# Altium PCB CL-HC-M-V2.2.PcbDoc (part 2 of 18)
Units mil, origin at the board's own origin, x right, y up, seen from the top; angles counter-clockwise.
Board outline 27559.06 x 27559.06 mil, 2 copper layers (TopLayer, BottomLayer); 684 components, 528 nets, 2380 pads, 1851 vias.
Unrouted connection lines stored in the file: 1268.
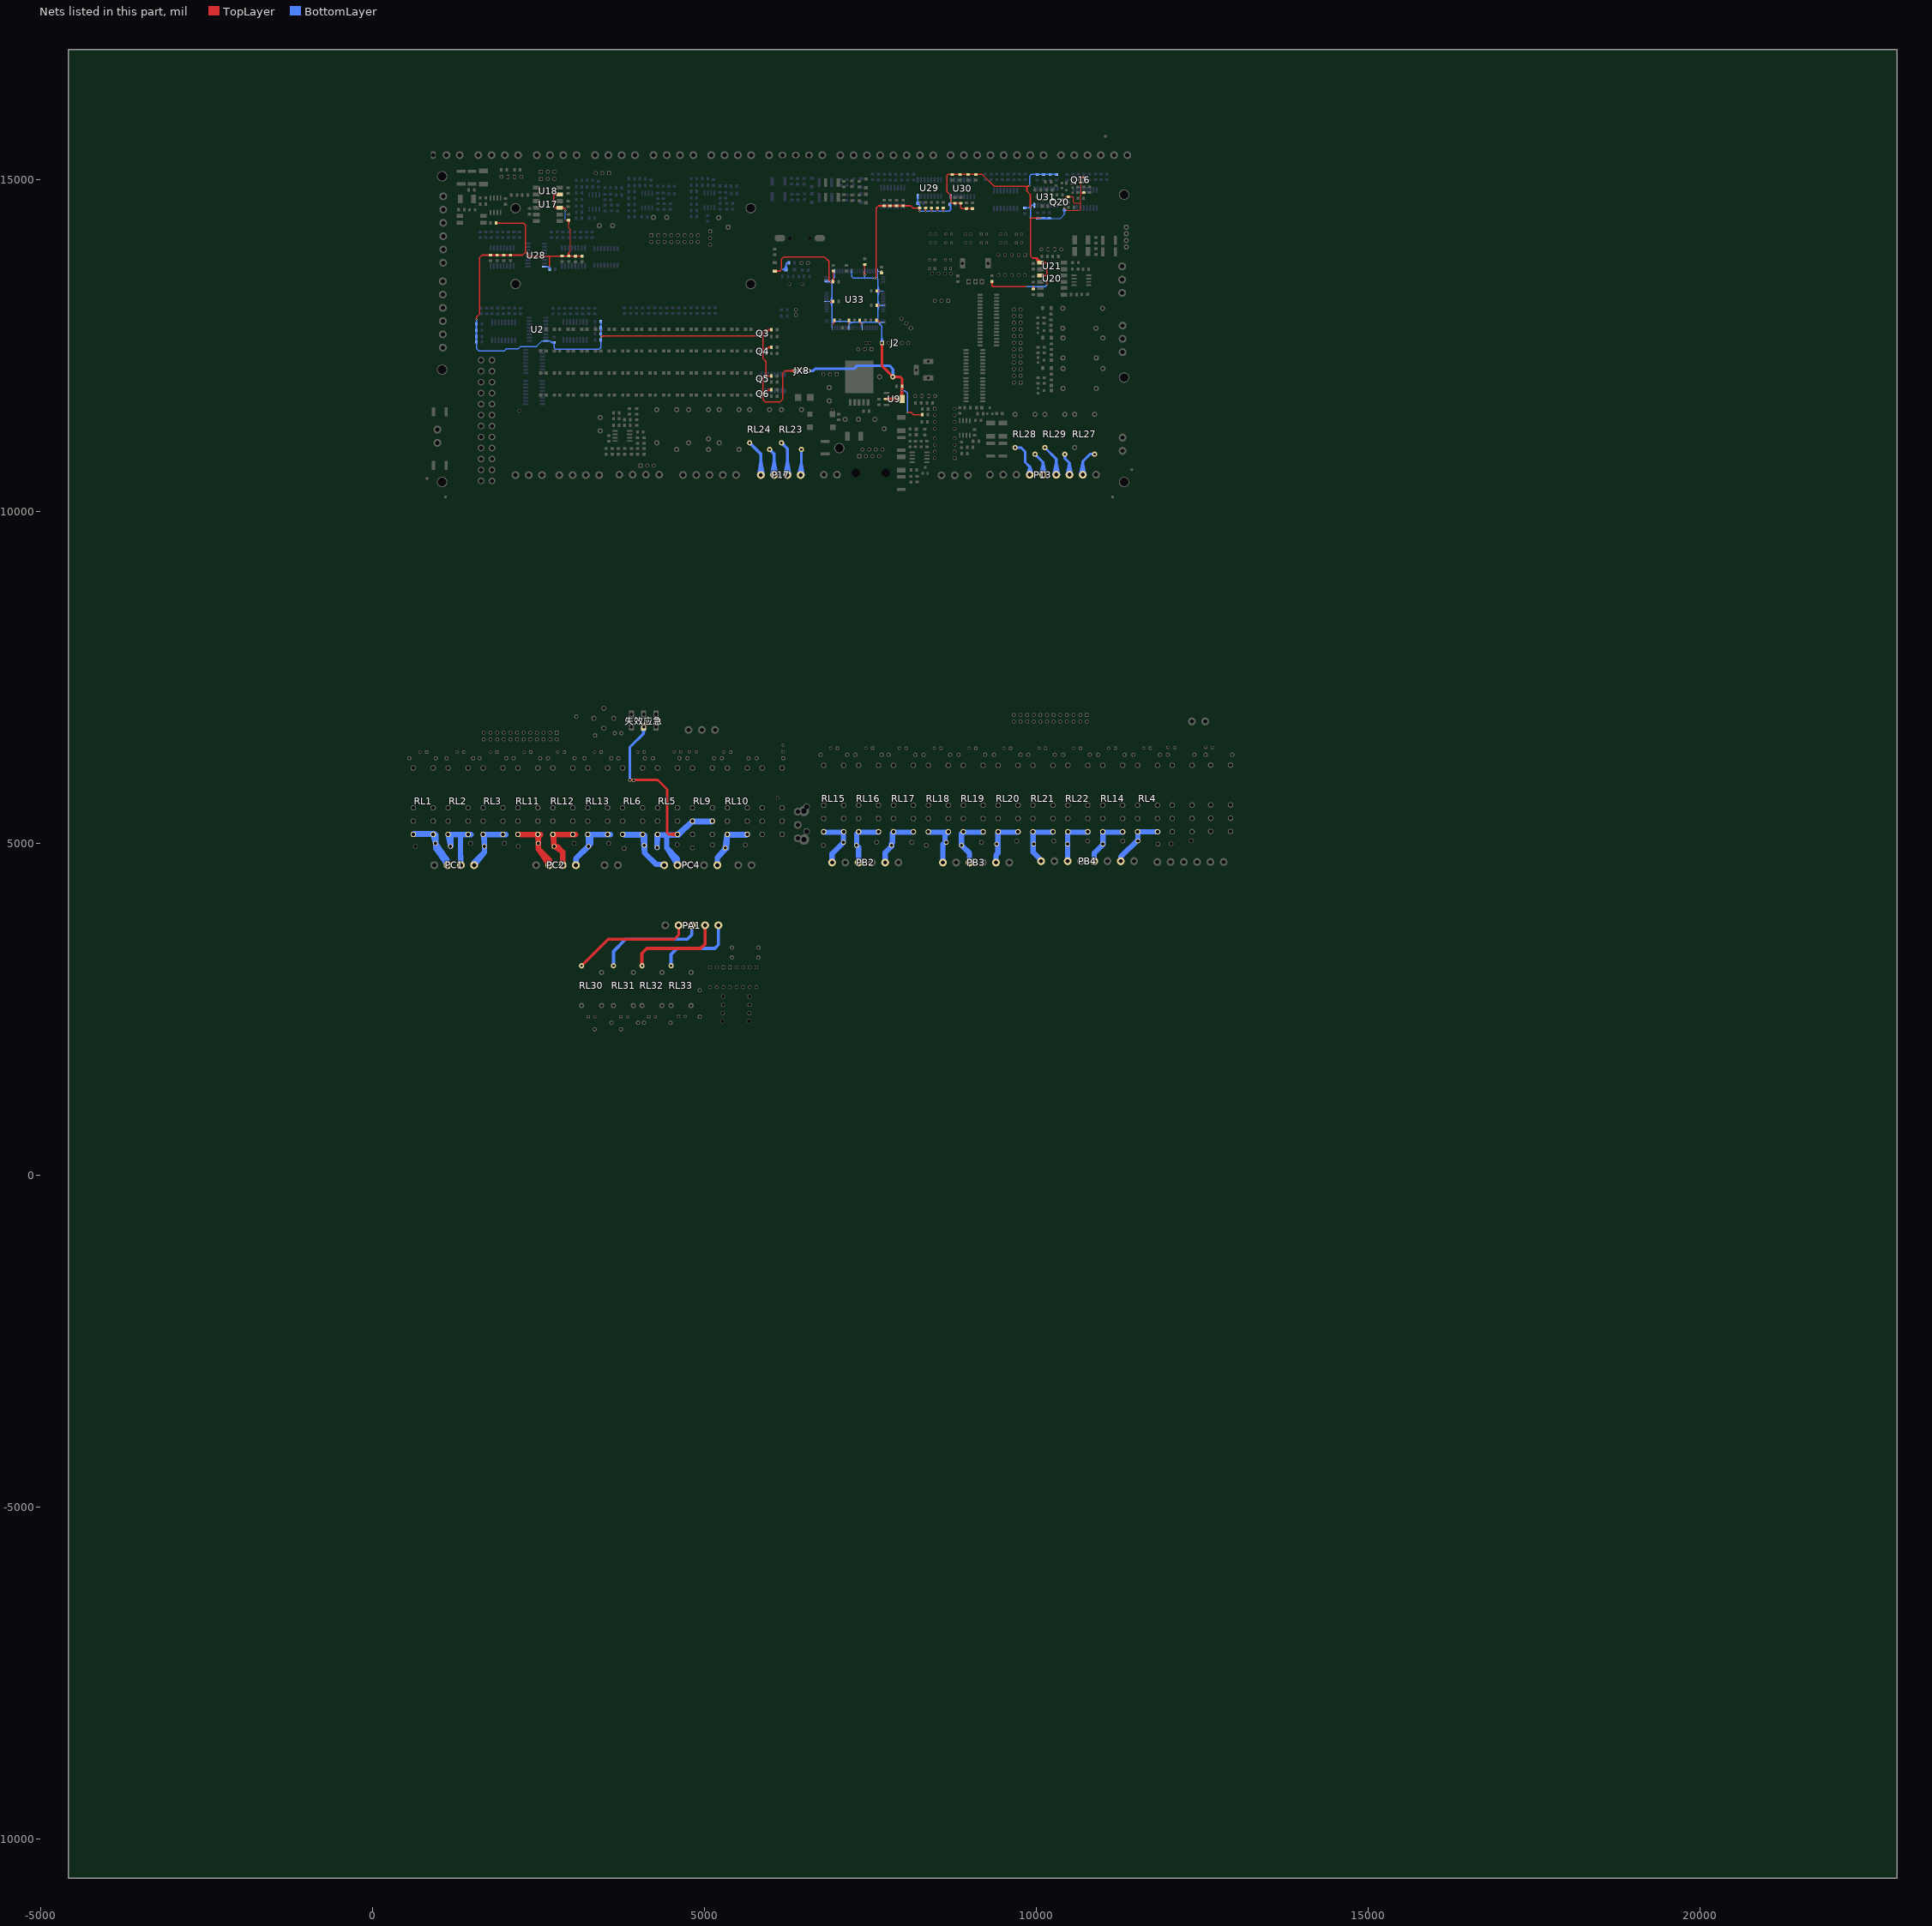
[diagram p2: the nets of this part, all layers, seen from the top]

## Footprints (in the part's own frame and the unit in brackets; to place one, negate y for a bottom-side part, rotate by r counter-clockwise, add the part's x,y. Pads: shape width x height; smd on the part's side, far side on the other; paste and mask are expansions set on the pad) (continued)
SO_16 [mil]
  rect 30x80 smd: 1(-175,-125)
  oval 30x80 smd: 2(-125,-125) 3(-75,-125) 4(-25,-125) 5(25,-125) 6(75,-125) 7(125,-125) 8(175,-125) 9(175,125) 10(125,125) 11(75,125) 12(25,125) 13(-25,125) 14(-75,125) 15(-125,125) 16(-175,125)
  silkscreen extent -195,-70 195,70, body extent -194,-115 192,113, height 69
SO_16L [mil]
  rect 30x90 smd: 1(-175,-135)
  oval 30x90 smd: 2(-125,-135) 3(-75,-135) 4(-25,-135) 5(25,-135) 6(75,-135) 7(125,-135) 8(175,-135) 9(175,135) 10(125,135) 11(75,135) 12(25,135) 13(-25,135) 14(-75,135) 15(-125,135) 16(-175,135)
  silkscreen extent -195,-70 195,70, body extent -194,-115 192,113, height 69
SOP8 [mil]
  oval 24x80 smd: 1(-75,-110) 2(-25,-110) 3(25,-110) 4(75,-110) 5(75,110) 6(25,110) 7(-25,110) 8(-75,110)
  silkscreen extent -95,-75 95,75, body extent -97,-118 96,118, height 61
SOP-08 [mil]
  oval 24x80 smd: 1(-75,-110) 2(-25,-110) 3(25,-110) 4(75,-110) 5(75,110) 6(25,110) 7(-25,110) 8(-75,110)
  silkscreen extent -95,-75 95,75, body extent -97,-118 96,118, height 61
SOT23 [mm]
  rect 0.9x0.95 smd: 1(0,1.175) 2(-0.95,-1.175) 3(0.95,-1.175)
  silkscreen extent -1.3,-0.3 1.3,2.32, body extent -1.45,-1.4 1.45,1.4, height 1.2
VScore [mil] "VScore"
  round 60 hole 30: 1(0,0) 4(300,0)
  oval 40x70 hole 30: 2(100,0) 3(200,0)
  silkscreen extent -125,-50 425,225
XAL2 [mil]
  round 50 / inner round 50 / far side round 78.74 hole 32: 1(0,0) 2(200,0)
  silkscreen extent -116,-89 316,89, body extent -123,-94 323,89, height 138
XTAL4 [mm]
  round 1.5 hole 0.8: 1(0,0) 2(2.007,0)
  silkscreen extent -1.02,-9.02 3.05,1.02

## Part data
BT1: "Battery"
C1 C2 C3 C13 C14 C15 C38: library part CAP, "Capac"
C4 C5 C6 C7 C8 C9 C10 C11 C12 C16 C17 C18 C19 C20 C21 C22 C23 C24 C25 C26 C27 C28 C29 C30 C31 C32 C33 C34 C35 C36 C37 C39 C40 C41 C42 C43 C44 C47 C48 C50 C51 C52 C53 C60 C61 C64 C65 C66 C67 C69 C70 C71 C72 C73 C74 C75 C76 C77 C78 C79 C80 C81 C82 C83 C84: library part CAP, "Capacitor"
C45 C49 C85 C86 C87 C88: library part ELECTRO1, "Electrolytic Capacitor"
C46: library part "Cap Pol1", "Polarized Capacitor (Radial)"
C54 C55 C56 C57 C58 C59: library part Cap, "Capacitor"
D1: library part Br
D2 D3 D6 D7 D8 D9 D10 D11 D12 D13 D14 D19 D20 D21 D22 D95 D97 D109 DW1 DW2 DW3 DW4 DW5 DW6: library part DIODE, "Diode"
D4 D5 D15 D16 D17 D18 D37 D38 D39 D40 D41 D42 D43 D44 D45 D46 D47 D48 D49 D50 D51 D52 D53 D54 D55 D61 D65 D67 D96 D98 D110 D199 LD1 LD2 LD3 LD4 LD5 LD6 LD7 LD8 LD9 LD10 LD11 LD12 LD13 LD14 LD15 LD16 LD17 LD18 LD19 LD20 LD21 LD22 LD23 LD24 LD25 LD26 LD27 LD28 LD29 LD30 LD31 LD32 LD33 LD34 LD35 LD36 LD37 LD38 LD39 LD40 LD41 LD42 LD43 LD44 LD45 LD46 LD47 LD48 LD49 LD50 LD51 LD52 LD53 LD54 LD55 LD56 LD57 LD58 LD59 LD60 LD61 LD62 LD63 LD64: library part LED, "Zener Diode"
DZ1: library part ZENER3, "Zener Diode"
F1 F2 F3 F4 F5 F6: library part "Fuse 1"
F7 F8 F9 F10 F11 F12 F13 F14 F15 F16 F17: library part "Fuse 1", "Fuse"
J1 JX1 JX2 JX4 JX5 P12 P15 PX14 PX15 PX23 PX24: "Header, 3-Pin"
JX7 JX8: library part "Header 3", "Header, 3-Pin"
L1: library part INDUCTOR
P1 P11: library part "Header 3", "Header, 3"
P2 P3 P6: library part "Header 4"
P4 P5 P17: library part "Header 4", "H"
P7: library part "Header 5", "H"
P8 P9: library part "Header 8", "Header, 8"
P10 P24 P25: library part "Header 6", "Header, 6"
P13: "He"
P14: "Header, 4-Pin, Dual row"
P16: library part "Header 2", "Header, 2"
P18: library part "Header 5", "Heade"
P19 P20: library part "Header 4", "Heade"
P21: library part "Header 3", "H"
P22: library part "Header 12X2", "Header, 12"
P23 P32 PC3 PC5: library part "Header 2", "Header, 2-Pin"
P26: "Header, 8-Pin, Dual row"
P27: library part "Header 12X2", "Header, 12-Pin, Dual row"
P30: library part "Header 4", "Header, 4"
PA1: library part "Header 5", "Header, 5-Pin"
PAX: "Header, 8-Pin, Dual"
Pw1: library part LM2576
Q1 Q2 Q17 Q21 Q22: "NPN Bipolar Transistor"
Q3 Q4 Q5 Q6 Q13 Q15 Q16 Q18 Q19 Q20: "PNP Bipolar Transistor"
R1 R2 R3 R4 R5 R6 R7 R8 R9 R11 R12 R13 R109: library part res
R10 R14 R15 R16 R17 R18 R19 R20 R21 R22 R23 R24 R25 R26 R27 R28 R29 R30 R31 R32 R33 R34 R35 R36 R37 R38 R39 R40 R41 R42 R43 R44 R45 R46 R47 R48 R49 R50 R51 R52 R53 R54 R55 R56 R57 R58 R59 R60 R61 R62 R63 R64 R65 R66 R67 R68 R69 R70 R71 R72 R73 R74 R75 R76 R77 R78 R79 R80 R81 R82 R83 R84 R85 R86 R87 R88 R89 R90 R91 R92 R93 R94 R95 R96 R97 R98 R99 R100 R101 R103 R104 R105 R106 R107 R108 R110 R111 R112 R113 R114 R115 R116 R117 R118 R119 R120 R121 R122 R123 R124 R125 R126 R127 R128 R129 R130 R131 R132 R133 R134 R135 R136 R137 R138 R139 R140 R141 R142 R143 R144 R145 R146 R147 R147 R148 R148 R149 R149 R150 R150 R151 R151 R152 R152 R153 R153 R154 R154 R155 R155 R156 R156 R157 R157 R158 R158 R159 R159 R160 R160 R161 R161 R162 R162 R163 R163 R164 R164 R165 R165 R166 R167 R168 R169 R170 R171 R171 R172 R173 R174 R175 R175 R176 R177 R177 R178 R179 R179 R180 R181 R182 R183 R184 R185 R186 R187 R188 R189 R190 R191 R192 R193 R194 R195 R196 R197 R198 R199 R200 R201 R202 R203 R204 R205 R206 R207 R208 R209 R210 R211 R212 R213 R214 R215 R216 R217 R218 R219 R220 R249 R250 R251 R252 R253 R254 R255 R257 R258 R259 R260 R261 R262 R263 R264 R265 R266 R267 R268 R269 R270 R271 R272 R275 R276 R283 R284 R285 R292: library part RES2
RESET1: library part SW-PB
RL1 RL2 RL3 RL4 RL5 RL6 RL10 RL11 RL12 RL13 RL14 RL15 RL16 RL17 RL18 RL19 RL20 RL21 RL22 RL23 RL24 RL26 RL27 RL28 RL29 RL30 RL31 RL32 RL33 RL35 RL36 RL37 RL40: library part RELAY
RL25: library part H
RL34: library part HF3FF
RN1 RN2 RN3 RN4 RN5 RN6 RN8 RN9 RN10 RN11 RN12 RN13 RN14 RN15 RN17 RN18 RN19 RN20 RN21 RN23 RN24: library part RN
S1: library part "SW DIP-5", "DIP Switch, 5 Position,"
S4 S5 S6: library part SW-SPDT, "SPDT Subminiature Toggle Switch, Right Angle Mounting, Vertical Actua"
S8: "SPDT Subminiature Toggle Switch, Right Angle Mounting, Vertical Actuation"
U2: library part DM74ALS165N, "8-Bit Parallel-In/Serial Out Shift Register"
U3 U4 U8 U25 U26 U27: library part ULN2003A, "High-Voltage, High-Current Darlington A"
U9: library part LT1117
U14 U15: library part ULN2003A, "High-Voltage, High-Current Darlington Array"
U24 U32 U52: library part VScoure
U28 U29 U30 U31: library part DM74ALS165N, "8-Bit Parallel-In/Serial Out Shift Regi"
UB1: library part Bridge
Y1 Y2: library part CRYSTAL, "Crystal"
失效应急: "Header, 6-Pin"

## Free pads (board coordinates)
  round 157.48 hole 125.98: 0(1049.3,10444.81) 0(1049.3,12137.73) 0(1049.3,15051.11) 0(2155.43,13428.12) 0(2155.43,14569.85) 0(5698.74,13428.12) 0(5698.74,14569.85) 0(7033.56,10956.63) 0(11324.89,10444.81) 0(11324.89,12019.62) 0(11324.89,14775.52)
  round 50 hole 36: 0(2209.06,11519.1) 0(3878.53,5955.18) 1(3935.68,5952.82) 1(6929.54,11528.21) 2(6104.1,5685.79) 2(8435.27,13586.65) 3(8529.27,13586.65) 4(8623.27,13586.65) 5(8717.26,13586.65)
  round 157.48 hole 78.74: 0(6501.78,5058.41) 0(6501.78,5487.55)
  oval 40x55 hole 36: 0(7437.02,12539.21) 0(7491.14,12539.21)
  round 65 hole 36: 0(12052.46,6167.9)
  round 39.37 smd far side: 1(820.33,10496.9) 1(1098.09,10219.15) 1(11042.68,15653.19) 1(11151.14,10219.15) 1(11441.3,10630.16)
  round 39.37 smd: 1(820.33,10496.9) 1(1098.09,10219.15) 1(11042.68,15653.19) 1(11151.14,10219.15) 1(11441.3,10630.16)
  round 86.61 on Top Solder: 2(820.33,10496.9) 2(1098.09,10219.15) 2(11042.68,15653.19) 2(11151.14,10219.15) 2(11441.3,10630.16)
  round 86.61 on Bottom Solder: 2(820.33,10496.9) 2(1098.09,10219.15) 2(11042.68,15653.19) 2(11151.14,10219.15) 2(11441.3,10630.16)
  round 120 on Top Solder: 2(6072.37,13106.69) 2(6144.83,13375.99)

## Via types
v1: diameter 25, hole 15, TopLayer to BottomLayer, tented both sides, 1813 vias
v2: diameter 20, hole 12, TopLayer to BottomLayer, tented both sides, 24 vias
v3: diameter 25, hole 15, TopLayer to BottomLayer, 13 vias
v4: diameter 40, hole 24, TopLayer to BottomLayer, tented both sides, 1 vias

## Nets (pads, with @x,y where several pads share a name; then routed paths per layer and width w, separated by ;. In a path a pad name is that pad's centre, name@x,y a point inside that pad or via, vN(x,y) a via of type N, cw(c..) or ccw(c..) an arc to the next point about the centre after c; other vN are vias at no path point)
1C2: PC4.5 RL6.3 RN9.2 | length 2620.2
  BottomLayer w80: RL6.3@3769.48,5135.81 RL6.3@4054.75,5124.52 ; RL6.3@3786.06,5135.16 RL6.3@4069.48,5135.81 ; PC4.5@4395.92,4683.67 4271.56,4683.67 ; PC4.5@4396.36,4672.36 4271.56,4683.67 ; RL6.3@4069.48,5135.81 3800.37,5124.52 RL6.3@4100.37,5124.52 ; RL6.3@4069.48,5135.81 4100.37,4854.86 ; RL6.3@4069.48,5135.81 RN9.2@4094.34,4969.79 ; RN9.2@4094.34,4969.79 4100.37,4854.86 ; RN9.2@4094.34,4969.79 RL6.3@4100.37,5124.52 ; 4100.37,4854.86 4271.56,4683.67 ; 4100.37,4854.86 RL6.3@4100.37,5124.52
1C3: pad.0@3878.53,5955.18 pad.1@3935.68,5952.82 PC4.4 RL5.3 RL9.4 RN8.2 失效应急.2 | length 8237.8
  TopLayer w40: 4023.53,5955.17 pad.0@3878.53,5955.18 ; 4080.78,5955.17 pad.1@3935.68,5952.82 ; RL5.3@4593.69,5114.54 4458.25,5135.81 ; RL5.3@4593.69,5157.08 4458.25,5135.81 ; RL5.3@4595.35,5135.81 4458.25,5135.81 ; pad.0@3878.53,5955.18 pad.1@3935.68,5952.82 ; pad.0@3878.53,5955.18 pad.1@3935.68,5952.82 ; pad.0@3878.53,5955.18 4298.26,5955.17 4439.22,5814.21 4439.22,5154.84 4458.25,5135.81
  BottomLayer w39.37: 3878.52,6098.29 pad.0@3878.53,5955.18 ; 失效应急.2@4066.8,6732.95 4086.33,6656.33 ; 失效应急.2@4086.33,6735.4 4086.33,6656.33 ; 失效应急.2@4086.33,6755.08 4086.33,6656.33 ; 失效应急.2@4105.86,6732.95 4086.33,6656.33 ; pad.0@3878.53,5955.18 pad.1@3935.68,5952.82 3933.33,5955.18 pad.0@3878.53,5955.18 ; pad.0@3878.53,5955.18 3878.52,6448.52 4086.33,6656.33
  BottomLayer w80: RL5.3@4284.06,5124.63 RL5.3@4285.92,5122.77 ; PC4.4@4595.92,4683.67 4595.92,4766.91 ; RL5.3@4600.21,5140.09 RL9.4@4821.23,5335.81 ; RL5.3@4610.07,5124.93 RL9.4@4821.23,5335.81 ; RL9.4@4820.53,5335.38 RL9.4@4809.78,5324.63 ; RL9.4@4838.35,5324.63 RL9.4@5121.23,5335.81 ; RL9.4@5103.43,5324.63 RL9.4@4821.23,5335.81 ; RL9.4@5104.81,5335.16 RL9.4@4821.23,5335.81 ; RL9.4@5109.78,5324.63 RL9.4@4809.78,5324.63 ; RL5.3@4285.92,5122.77 RL5.3@4288.35,5120.34 ; RL5.3@4285.92,5122.77 4287.78,5124.63 4442.44,5124.63 ; RN8.2@4288.35,4935.6 RL5.3@4295.35,5135.81 ; RN8.2@4288.35,4935.6 RL5.3@4288.35,5120.34 ; RN8.2@4288.35,4935.6 RL5.3@4295.35,5135.81 ; RN8.2@4288.35,4935.6 RL5.3@4288.35,5120.34 ; RL5.3@4295.35,5135.81 4442.44,5124.63 ; 4432.82,4930 PC4.4@4596.36,4672.36 ; 4432.82,4930 4595.92,4766.91 ; 4432.82,4930 4432.82,5115.01 4442.44,5124.63 ; 4442.44,5124.63 RL5.3@4595.35,5135.81 RL9.4@4809.78,5324.63 ; 4442.44,5124.63 4609.78,5124.63 RL9.4@4809.78,5324.63 ; 4595.92,4766.91 PC4.4@4596.36,4672.36 ; 4595.92,4766.91 PC4.4@4596.36,4672.36
1C6: PB4.7 RL4.3 RN21.2 | length 848.7
  BottomLayer w80: PB4.7@11274.33,4731.71 11274.33,4795.65 11534.5,5055.81 11534.5,5172.66 RL4.3@11834.5,5172.66
1C7: PC1.4 RL3.3 RN20.2 | length 2184.2
  BottomLayer w80: PC1.4@1525.41,4704.62 1685.42,4864.63 ; PC1.4@1530.03,4671.3 1685.42,4864.63 ; RL3.3@1684.4,5135.58 RL3.3@1965.98,5135.81 ; RL3.3@1947.43,5132.35 RL3.3@1665.98,5135.81 ; RL3.3@1665.98,5135.81 1709.39,5132.35 ; RL3.3@1665.98,5135.81 RN20.2@1685.42,4954.93 ; RL3.3@1665.98,5135.81 1709.39,5132.35 ; 1685.42,4864.63 RN20.2@1685.42,4954.93 ; RN20.2@1685.42,4954.93 1685.42,5108.39 1709.39,5132.35 ; 1709.39,5132.35 RL3.3@1965.98,5135.81 ; 1709.39,5132.35 2009.39,5132.35 RL3.3@1965.98,5135.81
1C8: PC1.3 RL2.3 RN19.2 | length 2167.6
  BottomLayer w80: PC1.3@1325.41,4704.62 1325.41,5132.35 ; 1325.41,4970.67 PC1.3@1330.03,4671.3 ; RL2.3@1140.11,5135.81 RN19.2@1175.42,4954.93 1183.76,5132.35 ; RL2.3@1140.11,5135.81 1183.76,4963.26 1183.76,5132.35 ; RL2.3@1140.11,5135.81 1183.76,5132.35 ; RL2.3@1140.11,5135.81 1183.76,5132.35 ; RL2.3@1140.11,5135.81 1325.41,5132.35 ; 1183.76,5132.35 1325.41,5132.35 ; 1325.41,5132.35 RL2.3@1440.11,5135.81 1483.76,5132.35 1325.41,5132.35
1C9: PC1.2 RL1.3 RN18.2 | length 3415.8
  BottomLayer w80: RL1.3@614.23,5135.81 RL1.3@898.18,5149.14 ; RL1.3@629.89,5136.55 RL1.3@914.23,5135.81 ; RL1.3@631.1,5149.14 931.1,5149.14 RL1.3@953.15,5127.1 ; RL1.3@631.79,5149.14 RL1.3@914.23,5135.81 ; 981.33,4954.32 PC1.2@1130.03,4671.3 ; PC1.2@1125.41,4704.62 1125.41,4749.62 ; RL1.3@914.23,5135.81 RN18.2@949.22,4999.94 ; RL1.3@914.23,5135.81 RN18.2@953.15,4994.74 ; 949.22,4925.82 PC1.2@1130.03,4671.3 ; 949.22,4925.82 RN18.2@949.22,4999.94 ; 949.22,4925.82 1125.41,4749.62 ; 949.22,4925.82 949.22,4962.55 ; 949.22,4962.55 RN18.2@949.22,4999.94 ; 949.22,4962.55 953.15,4966.48 RN18.2@953.15,4994.74 ; 949.22,4962.55 RN18.2@949.22,4999.94 ; RN18.2@949.22,4999.94 1125.41,4749.62 ; RN18.2@949.22,4999.94 RL1.3@953.15,5127.1 ; RN18.2@953.15,4994.74 RL1.3@953.15,5127.1 ; 1125.41,4749.62 PC1.2@1130.03,4671.3 ; 1125.41,4749.62 PC1.2@1130.03,4671.3 ; 1125.41,4749.62 PC1.2@1130.03,4671.3
1C10: PC2.4 RL13.3 RN17.2 | length 2878.6
  BottomLayer w80: PC2.4@3065.03,4671.3 3066.6,4774.16 ; PC2.4@3066.6,4677.76 3066.6,4774.16 ; RL13.3@3525.05,5132.35 RL13.3@3243.6,5135.81 ; 3066.6,4774.16 RN17.2@3255.42,4954.93 ; 3066.6,4774.16 3286.29,4993.85 ; RL13.3@3243.6,5135.81 RN17.2@3255.42,4954.93 ; RL13.3@3243.6,5135.81 3286.29,5132.35 ; RL13.3@3243.6,5135.81 RL13.3@3543.6,5135.81 ; RL13.3@3243.6,5135.81 3286.29,5132.35 ; RL13.3@3243.6,5135.81 3286.29,4993.85 ; RL13.3@3243.6,5135.81 3286.29,5132.35 ; RN17.2@3255.42,4954.93 3286.29,4993.85 ; RN17.2@3255.42,4954.93 3286.29,4993.85 ; RN17.2@3255.42,4954.93 3286.29,4993.85 ; RN17.2@3255.42,4954.93 3286.29,5132.35 ; 3286.29,4993.85 3286.29,5132.35 ; 3286.29,5132.35 RL13.3@3543.6,5135.81 ; 3286.29,5132.35 3586.29,5132.35 RL13.3@3543.6,5135.81
1C11: PC2.3 RL12.3 RN10.2 | length 2624.8
  TopLayer w80: PC2.3@2865.03,4671.3 2866.6,4869.04 ; PC2.3@2866.6,4673.06 2866.6,4869.04 ; RL12.3@2999.18,5132.35 RL12.3@2717.73,5135.81 ; RL12.3@2717.73,5135.81 RN10.2@2735.42,4954.93 ; RL12.3@2717.73,5135.81 2760.65,5132.35 ; RL12.3@2717.73,5135.81 RL12.3@3017.73,5135.81 ; RL12.3@2717.73,5135.81 RN10.2@2735.42,4954.93 ; RL12.3@2717.73,5135.81 2760.65,5132.35 ; RL12.3@2717.73,5135.81 2760.65,5132.35 ; RN10.2@2735.42,4954.93 2780.71,4954.93 ; RN10.2@2735.42,4954.93 2866.6,4869.04 ; RN10.2@2735.42,4954.93 2735.42,5107.12 2760.65,5132.35 ; RN10.2@2735.42,4954.93 2780.71,4954.93 ; 2760.65,5132.35 RL12.3@3017.73,5135.81 ; 2760.65,5132.35 3060.65,5132.35 RL12.3@3017.73,5135.81 ; 2780.71,4954.93 2866.6,4869.04
1C12: PC2.2 RL11.3 RN15.2 | length 1861.7
  TopLayer w80: PC2.2@2666.6,4673.06 2666.6,4748.43 ; 2393.95,5132.35 RL11.3@2191.86,5135.81 2235.02,5132.35 2393.95,5132.35 ; 2393.95,5132.35 RL11.3@2491.86,5135.81 ; 2393.95,5132.35 2535.02,5132.35 ; RL11.3@2491.86,5135.81 2535.02,5132.35 ; RL11.3@2491.86,5135.81 2535.02,5132.35 ; RL11.3@2491.86,5135.81 RN15.2@2497.78,5000.6 ; 2497.78,4917.25 PC2.2@2665.03,4671.3 ; 2497.78,4917.25 2666.6,4748.43 ; 2497.78,4917.25 RN15.2@2497.78,5000.6 ; RN15.2@2497.78,5000.6 2497.78,5095.11 2535.02,5132.35 ; PC2.2@2665.03,4671.3 2666.6,4748.43 ; PC2.2@2665.03,4671.3 2666.6,4748.43
1C17: PC4.1 RL10.3 RN24.2 | length 2562.2
  BottomLayer w80: PC4.1@5195.92,4683.67 5195.92,4783.98 ; PC4.1@5196.36,4672.36 5195.92,4783.98 ; RL10.3@5363.08,5135.12 RL10.3@5647.1,5135.81 RL10.3@5363.98,5123.67 ; RL10.3@5629.46,5123.67 RL10.3@5347.1,5135.81 ; RL10.3@5635.92,5123.67 RL10.3@5335.92,5123.67 ; 5195.92,4783.98 RN24.2@5314.74,4930.84 ; 5195.92,4783.98 RN24.2@5335.92,4923.98 ; RN24.2@5314.74,4930.84 RL10.3@5347.1,5135.81 ; RN24.2@5314.74,4930.84 RL10.3@5335.92,5123.67 ; RN24.2@5335.92,4923.98 RL10.3@5347.1,5135.81 ; RN24.2@5335.92,4923.98 RL10.3@5335.92,5123.67
1C22: PB4.3 RL22.3 RN13.2 | length 738.7
  BottomLayer w80: PB4.3@10474.33,4731.71 10474.33,5161.93 10480.3,5167.9 RL22.3@10780.3,5167.9
1C27: PB4.1 RL21.3 RN12.2 | length 766.8
  BottomLayer w80: PB4.1@10071.17,4750.6 9953.15,4868.62 9953.15,5166.46 9954.59,5167.9 RL21.3@10254.59,5167.9
1C31: PB4.5 RL14.3 RN14.2 | length 790.7
  BottomLayer w80: PB4.5@10874.33,4731.71 10874.33,4854.78 11006.02,4986.47 11006.02,5167.9 RL14.3@11306.02,5167.9
1C32: PB3.5 RL20.3 RN6.2 | length 768.7
  BottomLayer w80: PB3.5@9394.33,4711.71 9394.33,4820.94 9424.61,4851.21 9424.61,5167.9 RL20.3@9724.61,5167.9
1C33: PB3.3 RL19.3 RN5.2 | length 927.7
  BottomLayer w80: 8954.33,4891.27 RN5.2@8875,4970.6 ; PB3.3@8994.33,4711.71 8994.33,4851.27 RN5.2@8875,4970.6 ; RL19.3@9198.9,5167.9 8898.9,5167.9 8875,5144 RN5.2@8875,4970.6
1C34: PB3.1 RL18.3 RN4.2 | length 788.9
  BottomLayer w80: RL18.3@8373.19,5167.9 8673.19,5167.9 8624.75,5119.46 8624.75,5014.54 8594.33,4984.13 PB3.1@8594.33,4711.71
1C35: PB2.5 RL17.3 RN3.2 | length 807.2
  BottomLayer w80: PB2.5@7724.33,4711.71 7724.33,4859.85 7820.77,4956.28 7820.77,5002.18 7835.08,5016.5 7835.08,5155.51 7847.47,5167.9 RL17.3@8147.47,5167.9
1C36: PB2.3 RL16.3 RN2.2 | length 780.5
  BottomLayer w80: PB2.3@7324.33,4711.71 7324.33,4939.92 RN2.2@7293.65,4970.6 7293.65,5139.79 7321.76,5167.9 RL16.3@7621.76,5167.9
1C37: PB2.1 RL15.3 RN1.2 | length 827.3
  BottomLayer w80: RL15.3@6796.05,5167.9 7096.05,5167.9 7095.51,5167.36 RN1.2@7095.51,5014.54 6924.33,4843.36 PB2.1@6924.33,4711.71
2-38: P17.3 RL24.3 | length 831.3
  BottomLayer w50: RL24.3@5982.76,10935.04 6051.71,10866.09 P17.3@6051.71,10550.41 ; P17.3@6017.77,10553.19 6051.71,10759.47 P17.3@6085.65,10553.19
2-39: P17.4 RL24.4 | length 972.7
  BottomLayer w50: RL24.4@5682.76,11035.04 5851.71,10866.09 P17.4@5851.71,10550.41 ; P17.4@5817.77,10553.19 5851.71,10759.47 P17.4@5885.65,10553.19
2-40: P17.1 RL23.3 | length 914.5
  BottomLayer w40: P17.1@6413.21,10557.02 6462.76,10730.37 ; P17.1@6451.71,10550.41 6462.76,10730.37 ; P17.1@6462.76,10561.47 RL23.3@6462.76,10935.04 ; P17.1@6490.72,10552.26 6462.76,10730.37
2-41: P17.2 RL23.4 | length 939.6
  BottomLayer w50: RL23.4@6162.76,11035.04 6251.71,10946.09 P17.2@6251.71,10550.41 ; P17.2@6217.77,10553.19 6251.71,10759.47 P17.2@6285.65,10553.19
3-24: P13.8 RL27.3 | length 782.7
  BottomLayer w40: P13.8@10663.39,10557.92 10702.22,10732.72 P13.8@10741.04,10557.92 ; P13.8@10702.22,10553.66 10702.22,10756.2 10809.94,10863.92 RL27.3@10879.6,10863.92
3-25: P13.7 RL29.3 | length 693
  BottomLayer w40: RL29.3@10431.53,10863.66 10431.53,10801.2 10502.22,10730.52 ; P13.7@10463.4,10557.97 10502.22,10730.52 ; P13.7@10502.22,10553.66 10502.22,10730.52 ; P13.7@10541.03,10557.97 10502.22,10730.52
3-26: P13.6 RL29.4 | length 838.8
  BottomLayer w40: RL29.4@10131.53,10963.66 10302.22,10792.98 P13.6@10302.22,10553.66 ; P13.6@10263.39,10557.92 10302.22,10732.72 P13.6@10341.04,10557.92
3-27: P13.5 RL28.3 | length 718.1
  BottomLayer w40: RL28.3@9981.53,10863.66 10102.22,10742.98 P13.5@10102.22,10553.66 ; P13.5@10063.39,10557.92 10102.22,10732.72 P13.5@10141.04,10557.92
3-28: P13.4 RL28.4 | length 796.7
  BottomLayer w40: RL28.4@9681.53,10963.66 9773.07,10963.66 9834.38,10902.36 9834.38,10742.36 9902.22,10674.52 ; P13.4@9863.67,10559.97 9902.22,10674.52 ; P13.4@9902.22,10553.66 9902.22,10674.52 ; P13.4@9940.76,10559.97 9902.22,10674.52
3-69: PA1.2 RL30.3 | length 1801
  TopLayer w40: RL30.3@3150,3155.46 3549.92,3555.37 4549.97,3555.37 4611.28,3616.68 PA1.2@4611.28,3765.37
3-70: PA1.3 RL31.3 | length 1643.7
  BottomLayer w50: RL31.3@3630.73,3155.46 3630.73,3371.2 3814.9,3555.37 4744.9,3555.37 4811.28,3621.75 PA1.3@4811.28,3765.37
3-71: PA1.4 RL32.3 | length 1479.3
  TopLayer w50: RL32.3@4060.41,3155.46 4060.41,3342.59 4133.18,3415.37 4944.9,3415.37 5011.28,3481.75 PA1.4@5011.28,3765.37
3-72: PA1.5 RL33.3 | length 1235.8
  BottomLayer w50: RL33.3@4499.12,3155.46 4499.12,3324.52 4589.97,3415.37 5154.9,3415.37 5211.28,3471.75 PA1.5@5211.28,3765.37
3V3: C49.1 C50.1 C60.2 C61.2 C64.2 C65.2 C66.2 C67.2 C69.2 C70.2 C71.2 C74.2 C75.2 C76.2 C77.2 C78.2 C82.2 C84.2 D12.2 D13.1 J2.1 JX8.1 JX8.2 JX8.3 Q3.3 Q4.3 Q5.3 Q6.3 Q16.3 Q20.3 R39.2 R40.2 R41.2 R42.2 R43.2 R44.2 R45.2 R46.2 R47.2 R48.2 R49.2 R50.2 R51.2 R52.2 R66.1 R75.2 R76.2 R77.2 R78.2 R81.2 R82.2 R83.1 R84.1 R85.1 R86.1 R87.2 R88.2 R89.2 R90.2 R91.2 R92.1 R93.2 R94.2 R95.2 R96.2 R97.2 R98.1 R99.1 R109.1 R148.2@1861.13,14346.15 R149.2@1563.79,12826.25 R150.2@1562.87,12729.49 R151.2@1563.79,12634.75 R152.2@1565.89,12557.35 R174.1 R175.1@9957.13,13353.69 R189.1 R207.1 R209.1 R211.1 R213.1 R259.1 R267.1 U2.16 U9.2 U17.1 U18.1 U20.1 U21.1 U28.16 U29.16 U30.16 U31.16 U33.17 U33.32 U33.33 U33.39 U33.52 U33.62 U33.72 U33.84 U33.95 U33.108 U33.121 U33.131 U33.144 | length 57652.9